# Altium PCB Buttonboard.PcbDoc
Units mil, origin at the board's own origin, x right, y up, seen from the top; angles counter-clockwise.
Board outline 4355 x 3340.61 mil, 2 copper layers (Top Layer, Bottom Layer); 50 components, 25 nets, 172 pads, 37 vias.
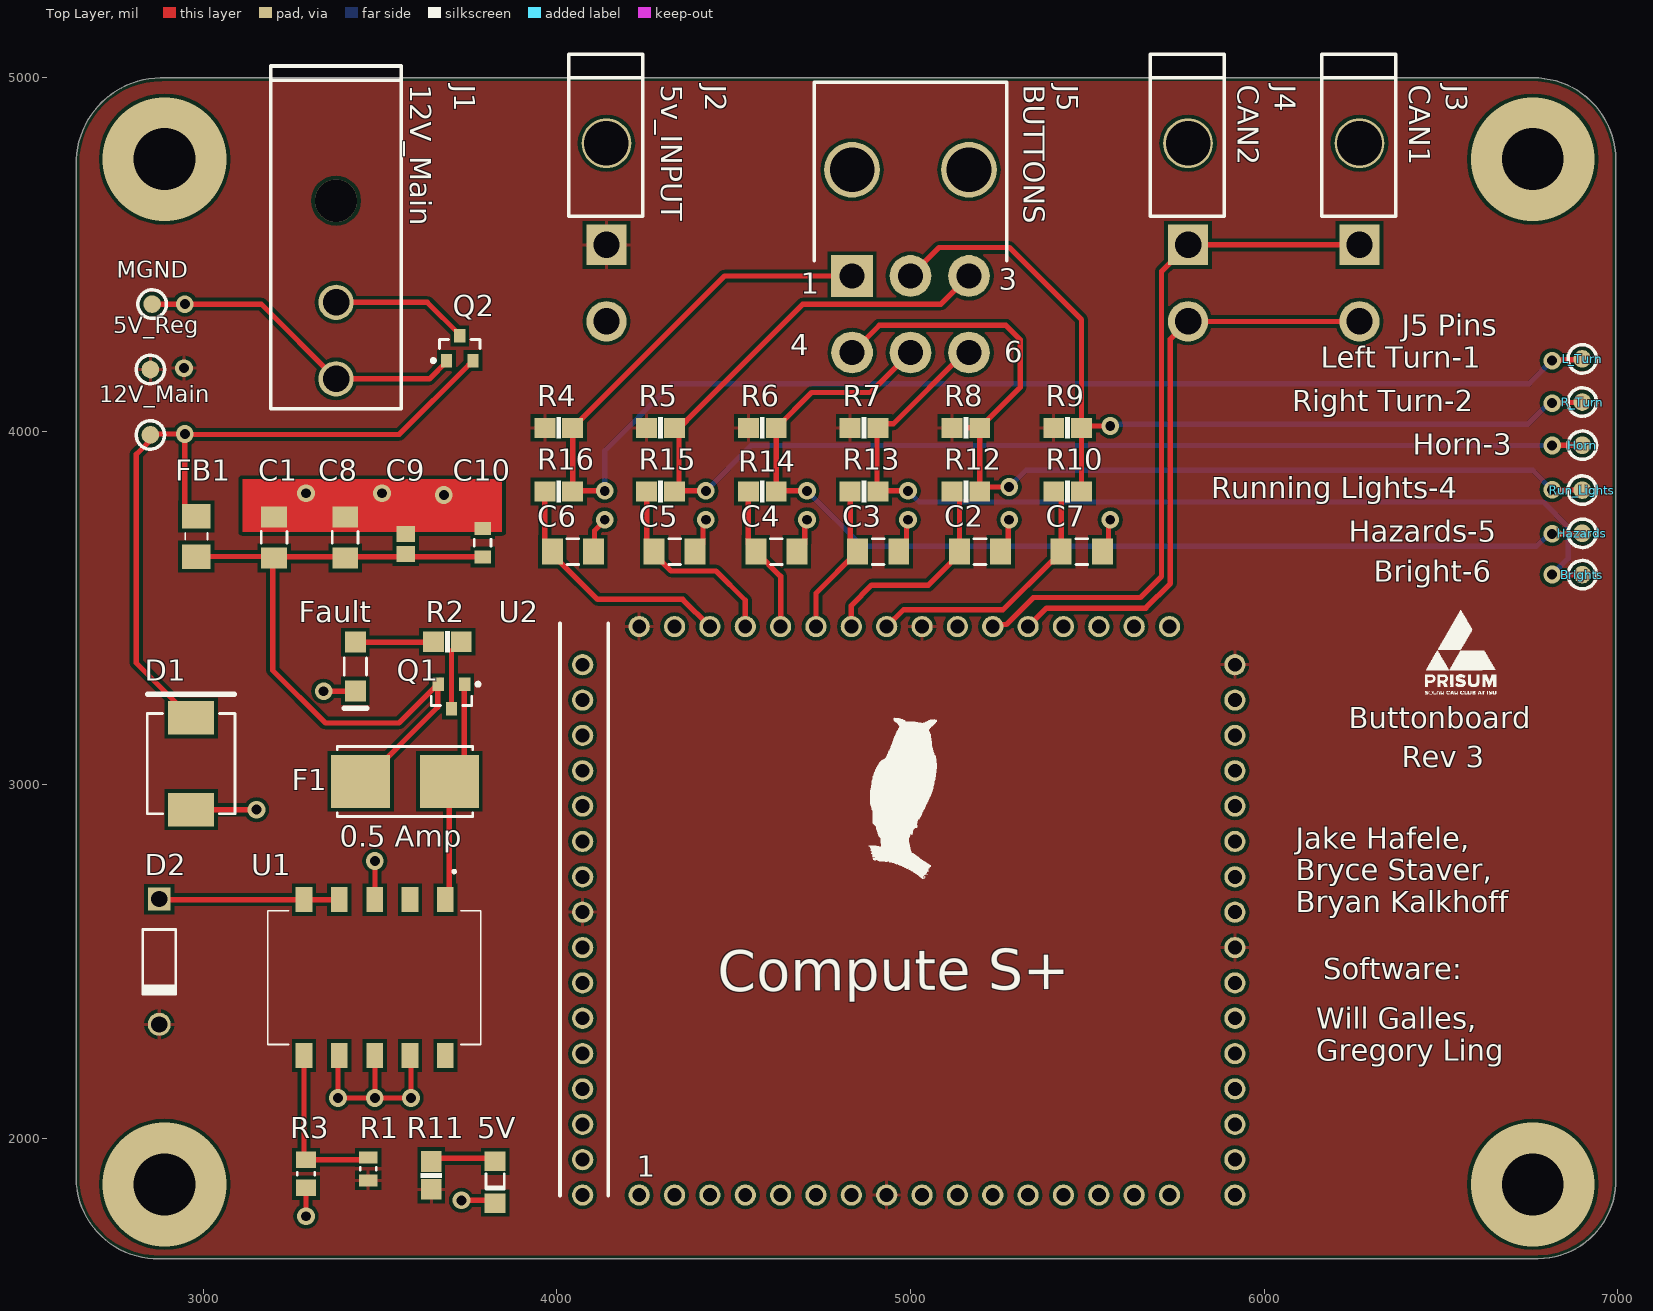
[diagram p0: Top Layer view]
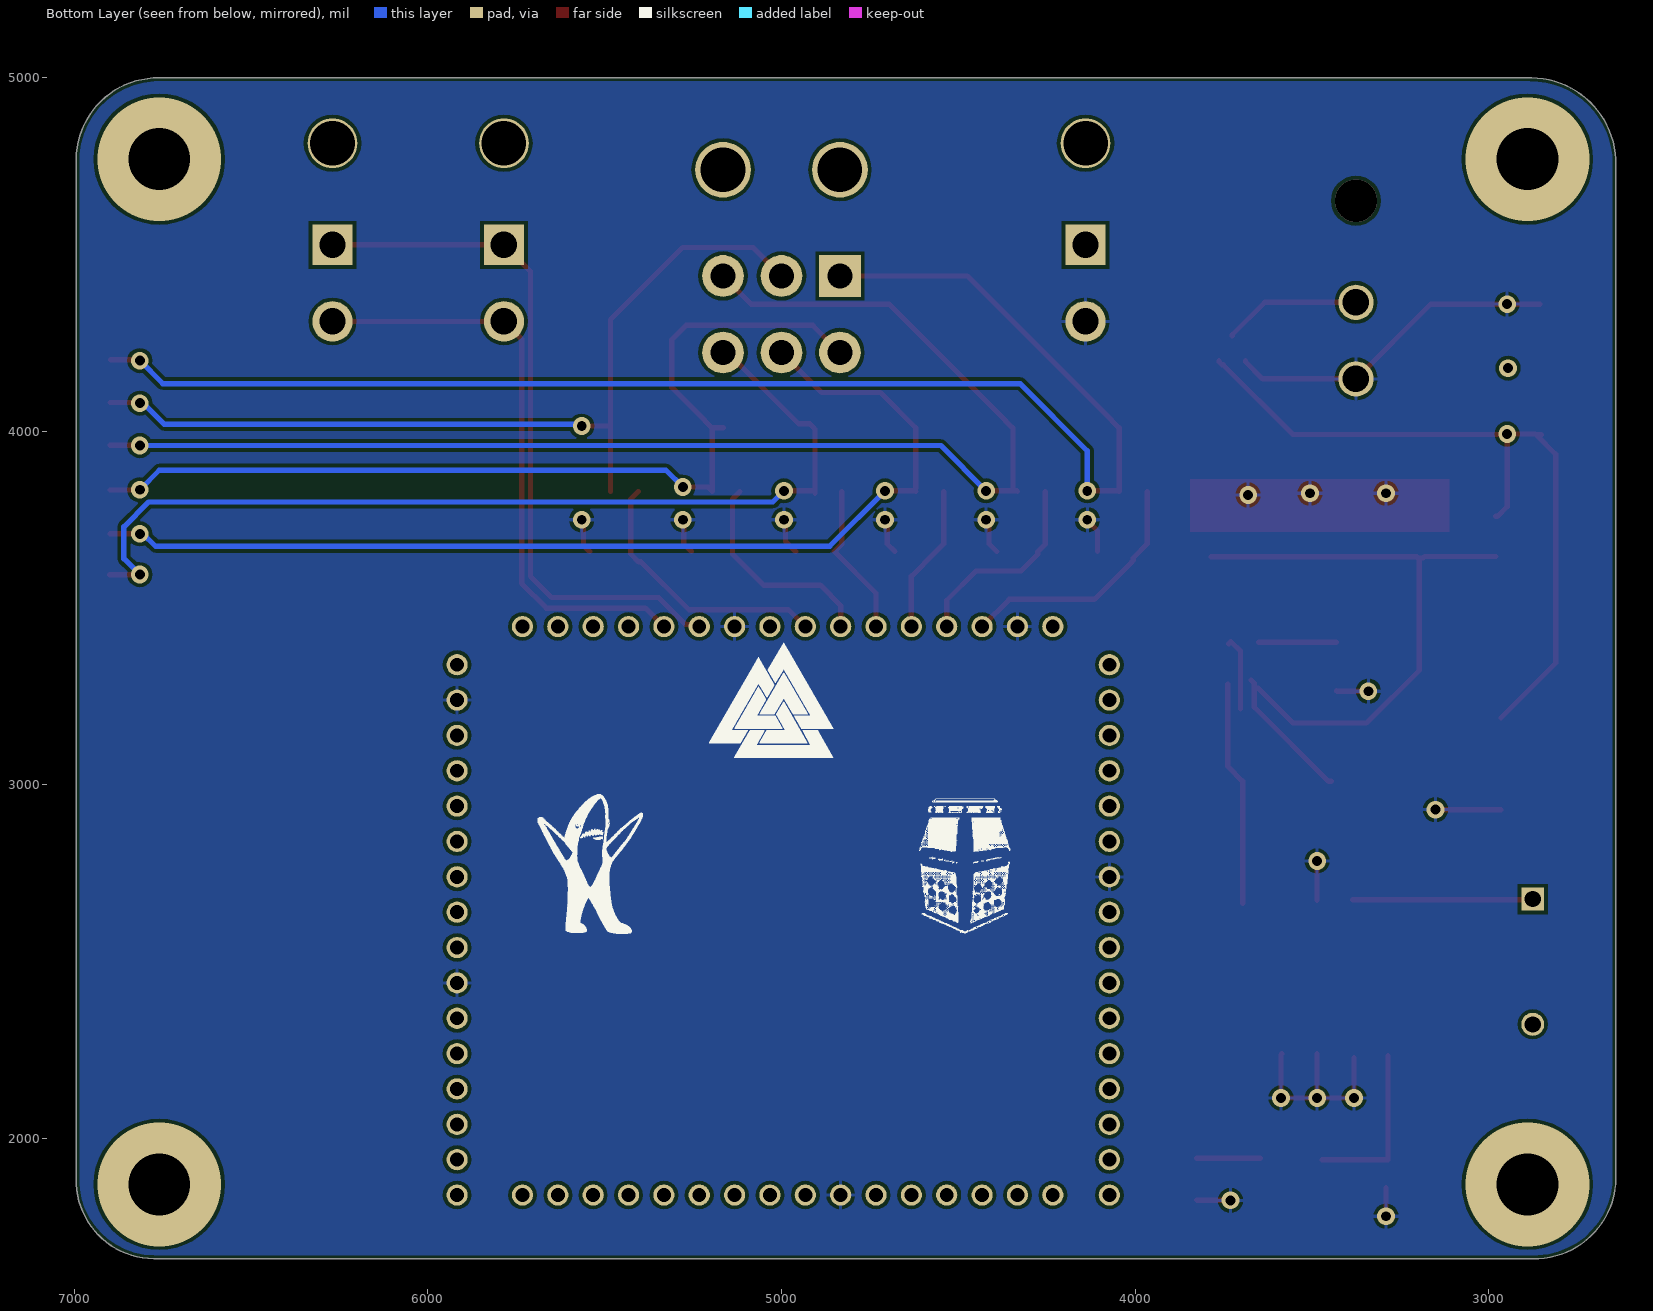
[diagram p1: Bottom Layer view, seen from below]
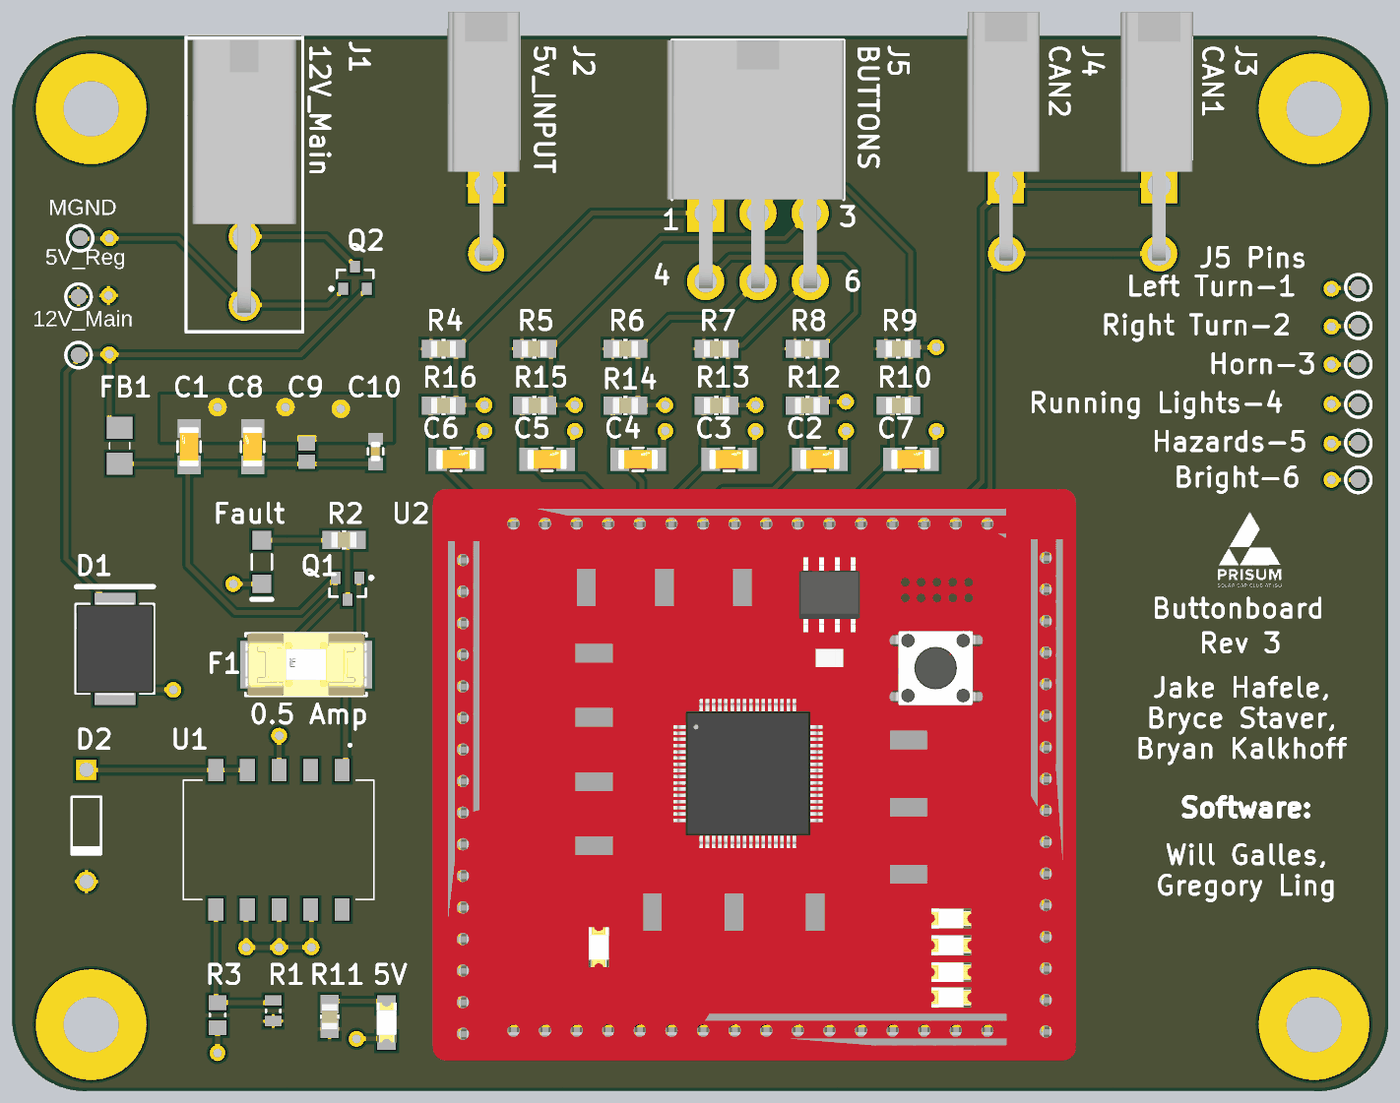
[diagram p2: 3D render of the assembled board from above, using the file's embedded part models]

## Layer stack, top to bottom
Top Solder: solder mask 0.4, Solder Resist, Dk 3.5
Top Layer: signal copper 1.4
Dielectric 1: dielectric 12.6, FR-4, Dk 4.8
Bottom Layer: signal copper 1.4
Bottom Solder: solder mask 0.4, Solder Resist, Dk 3.5

## Board outline
2640,1885 2640,2645 2640,4770 cw(c2882.5,4757.5) 2895,5000 6760,5000 cw(c6762.5,4767.5) 6995,4770 6995,1870 cw(c6772.5,1882.5) 6760,1660 2875,1660 cw(c2870,1890)

## Design rules (kind name [scope] priority, off if disabled: settings)
BoardOutlineClearance [All] p1: gap=10 ignorepadtopadclearanceinfootprint=FALSE except(0: Arc-SplitContinuation Track-SplitContinuation SMDPad-SplitContinuation THPad-SplitContinuation Via-SplitContinuation Fill-SplitContinuation Poly-SplitContinuation Region-SplitContinuation Text-SplitContinuation)
Clearance [All] p1: gap=10 ignorepadtopadclearanceinfootprint=FALSE except(0: Arc-Hole Track-Hole SMDPad-Hole THPad-Hole Via-Hole Fill-Hole Poly-Hole Region-Hole Text-Hole)
PolygonConnect [All] p1: connectstyle=Relief reliefconductorwidth=10 reliefentries=4 polygonreliefangle="90 Angle" airgapwidth=10
RoutingVias [All] p1: holewidth=28 width=50 viastyle="Through Hole" minholewidth=28 minwidth=50 maxholewidth=28 maxwidth=50
SolderMaskExpansion [All] p1: expansion=4 istentingtop=FALSE
Width [All] p1: maxlimit=15 minlimit=15 preferedwidth=15
30 further rules are at their usual default settings.

## Components (designator, comment, footprint, x,y, rotation, side; value= is the part's Value field where it differs from the comment)
5V "150120BS75000" 1206_A 3825,1876.38 r90 top
5V_Reg "EPAD" EPAD 2850,4175 r90 top
12V_Main "EPAD" EPAD 2850,3990 r90 top
Brights "EPAD" EPAD 6900,3594.68 r270 top
C1 "CL31A106MOHNNNE" FP-CL31-IPC_A 3200,3700 r90 top
C2 "CL31A106MOHNNNE" FP-CL31-IPC_A 5196.48,3660 r0 top
C3 "CL31A106MOHNNNE" FP-CL31-IPC_A 4908.61,3660 r0 top
C4 "CL31A106MOHNNNE" FP-CL31-IPC_A 4620.73,3660 r0 top
C5 "CL31A106MOHNNNE" FP-CL31-IPC_A 4332.86,3660 r0 top
C6 "CL31A106MOHNNNE" FP-CL31-IPC_A 4044.98,3660 r0 top
C7 "CL31A106MOHNNNE" FP-CL31-IPC_A 5484.35,3660 r0 top
C8 "CL31F105ZOCNNNC" FP-CL31-IPC_A 3400.95,3700 r90 top
C9 "08055C104JAT2A" CAPC2013X94X50LL20T25 3572.26,3681.46 r270 top
C10 "CGA3E2X8R2A103K080AD" FP-CGA3E-0_3-0_1-IPC_A 3790,3685 r90 top
D1 "SMCJ12A" LFUS-DO-214AB-2_V 2965,3060 r90 top
D2 "1N4001-T" DIOD-DO-41-P-2_V 2875,2500 r270 top
F1 "0.5 A" FP-0155-MFG 3570,3010 r0 top
Fault "HSMH-C150" AVAG-HSMX-C150_V 3430,3335 r270 top
FB1 "HI1206N800R-10" FB_HI1206N800R-10 2980,3702.86 r270 top
Hazards "EPAD" EPAD 6900,3711.75 r270 top
Horn "EPAD" EPAD 6900,3960.87 r270 top
J1 "12V_Main" CONN_2P_MEGAFIT_HORIZONTAL 3375,4148.46 r90 top
J2 "5V_Input" "Mini-Fit Jr. 2" 4140,4645.71 r180 top
J3 "CAN1" "Mini-Fit Jr. 2" 6270,4645.71 r180 top
J4 "CAN2" "Mini-Fit Jr. 2" 5785,4645.71 r180 top
J5 "Molex Mini-Fit Jr. 6-Pin" "Molex Mini-Fit Jr. 6-Pin" 5000,4605 r180 top
L_Turn "EPAD" EPAD 6900,4205 r270 top
MGND "EPAD" EPAD 2855,4360 r90 top
Q1 "Fuse Blown Fault" INTR-SOT-23-3_V 3701.73,3250 r180 top
Q2 "Reverse Polarity Protection" INTR-SOT-23-3_V 3725,4235 r0 top
R1 "0 Ohm" RESC2013X50X30LL20T20 3466.04,1913.78 r270 top
R2 "Resistor" 0805_B 3690,3405 r180 top value=1k
R3 "47k" RESC2013X60X35ML10T20 3290,1900 r90 top
R4 "1% 1/8W" 0805_B 4005,4010 r180 top value=10k
R5 "1% 1/8W" 0805_B 4292.87,4010 r180 top value=10k
R6 "1% 1/8W" 0805_B 4580.75,4010 r180 top value=10k
R7 "1% 1/8W" 0805_B 4868.62,4010 r180 top value=10k
R8 "1% 1/8W" 0805_B 5156.5,4010 r180 top value=10k
R9 "1% 1/8W" 0805_B 5444.37,4010 r180 top value=10k
R10 "1% 1/8W" 0805_B 5444.37,3830 r0 top value=10k
R11 "Resistor" 0805_B 3644.51,1895.59 r270 top value=1k
R12 "1% 1/8W" 0805_B 5156.5,3830 r0 top value=10k
R13 "1% 1/8W" 0805_B 4868.62,3830 r0 top value=10k
R14 "1% 1/8W" 0805_B 4580.75,3830 r0 top value=10k
R15 "1% 1/8W" 0805_B 4292.87,3830 r0 top value=10k
R16 "1% 1/8W" 0805_B 4005,3830 r0 top value=10k
R_Turn "EPAD" EPAD 6900,4082.94 r270 top
Run_Lights "EPAD" EPAD 6900,3833.81 r270 top
U1 "5v Switching Reg" "5v Reg" 3484.37,2455 r270 top
U2 "S+" "Compute S+" 4232.6,1840 r0 top

## Footprints (in the part's own frame and the unit in brackets; to place one, negate y for a bottom-side part, rotate by r counter-clockwise, add the part's x,y. Pads: shape width x height; smd on the part's side, far side on the other; paste and mask are expansions set on the pad)
"5v Reg" [mm]
  rect 1.8x1.2 smd: 1(-5.6,5.08) 2(-5.6,2.54) 3(-5.6,0) 4(-5.6,-2.54) 5(-5.6,-5.08) 6(5.6,-5.08) 7(5.6,-2.54) 8(5.6,0) 9(5.6,2.54) 10(5.6,5.08)
  silkscreen extent -7.72,-7.68 4.8,7.62
0805_B [mm] "0805 Style B SMT capacitor"
  rect 1.5x1.45 smd mask+0.064: 1(-1,0) 2(1,0)
  silkscreen extent -0.17,-0.78 0.18,0.77, body extent -1,-0.63 1.01,0.63, height 1.25
1206_A [mm] "Chip LED, 2-Leads, Body 3.2x1.6mm, IPC Medium Density"
  rect 1.4x1.5 smd: 1(-1.5,0) 2(1.5,0)
  silkscreen extent -0.5,-0.67 0.6,0.65, body extent -1.6,-0.8 1.6,0.8, height 0.68
AVAG-HSMX-C150_V [mm] "SMD, 2-Leads, Body 3.2x1.6mm"
  rect 1.5x1.5 smd: 1(-1.75,0) 2(1.75,0)
  silkscreen extent -0.6,-0.8 3,0.8, body extent -1.6,-0.8 1.6,0.8, height 1.1
CAPC2013X94X50LL20T25 [mm] "Chip Capacitor, 2-Leads, Body 2.21x1.45mm, IPC High Density"
  rect 1.15x1.35 smd: 1(-0.725,0) 2(0.725,0)
  body extent -1.1,-0.72 1.1,0.72, height 0.94
"Compute S+" [mil]
  round 60 hole 39.37: CANH(1000,1607.95) CANL(1100,1607.95) GND(-160,900) GND(100,1607.95) GND(600,0) GND(900,1607.95) GND(1685,600) GND(1685,1400) PA00(-160,1500) PA01(-160,1400) PA02(-160,1300) PA03(-160,1200) PA04(-160,300) PA05(-160,200) PA06(-160,100) PA07(-160,0) PA08(0,0) PA09(100,0) PA10(200,0) PA11(300,0) PA12(1200,0) PA13(1300,0) PA14(1400,0) PA15(1500,0) PA16(1685,0) PA17(1685,100) PA18(1685,200) PA19(1685,300) PA20(1685,800) PA21(1685,900) PA22(1685,1000) PA23(1685,1100) PA24(1685,1200) PA25(1685,1300) PA27(1500,1607.95) PA28(1400,1607.95) PA30(1300,1607.95) PA31(1200,1607.95) PB00(500,1607.95) PB01(400,1607.95) PB02(300,1607.95) PB03(200,1607.95) PB04(-160,1100) PB05(-160,1000) PB06(-160,700) PB07(-160,600) PB08(-160,500) PB09(-160,400) PB10(400,0) PB11(500,0) PB12(800,0) PB13(900,0) PB14(1000,0) PB15(1100,0) PB16(1685,400) PB17(1685,500) PB30(700,1607.95) PB31(600,1607.95) VDD(-160,800) VDD(0,1607.95) VDD(700,0) VDD(800,1607.95) VDD(1685,700) VDD(1685,1500)
  silkscreen extent -224,-2 842,1617, body extent -261,-84 1774,1726, height 549
CONN_2P_MEGAFIT_HORIZONTAL [mm]
  round 2.54 hole 1.905: 1(0,0) 2(5.5,0)
  silkscreen extent -2.16,-4.7 22.48,4.7, body extent -0.64,-4.16 21.33,4.19, height 14.06
DIOD-DO-41-P-2_V [mm] "2-Leads, Axial Lead, Body 4.635x2.36mm, Pin Spacing 9mm"
  rect 1.65x1.65 hole 1.15: 1(-4.5,0)
  round 1.65 hole 1.15: 2(4.5,0)
  silkscreen extent -2.32,-1.18 2.32,1.18, body extent -4.93,-1.18 4.93,1.18, height 2.35
EPAD [mil]
  round 50 smd: 1(0,0)
  silkscreen extent -40,-40 40,40
FB_HI1206N800R-10 [mm]
  rect 1.76x2.06 smd: 1(-1.445,0) 2(1.445,0)
  silkscreen extent -0.25,-0.8 0.25,0.8
FP-0155-MFG [mil]
  rect 167x150 smd paste+0 mask+0: 1(-125.5,0) 2(125.5,0)
  silkscreen extent -192,-99 192,99, body extent -213,-103 213,103, height 10
FP-CGA3E-0_3-0_1-IPC_A [mm]
  rect 0.956x1.206 smd paste+0 mask+0: 1(-1.025,0) 2(1.025,0)
  silkscreen extent -0.25,-0.6 0.25,0.6, body extent -2,-1.1 2,1.1, height 0.25
FP-CL31-IPC_A [mil]
  rect 59.27x73.16 smd paste+0 mask+0: 1(-58.12,0) 2(58.12,0)
  silkscreen extent -17,-37 17,37, body extent -107,-56 107,56, height 10
INTR-SOT-23-3_V [mm] "SOT23, 3-Leads, Body 2.92x1.3mm, Pitch 1.9mm"
  rect 0.802x0.972 smd: 1(-0.95,-0.885) 2(0.95,-0.885) 3(0,0.885)
  silkscreen extent -2.03,-1.01 1.46,0.64, body extent -1.46,-0.65 1.46,0.65, height 1.12
LFUS-DO-214AB-2_V [mm] "Molded Diode, 2-Leads, Body 7.11x6.22mm"
  rect 2.4x3.3 smd: 1(-3.3,0) 2(3.3,0)
  silkscreen extent -3.6,-3.15 5,3.15, body extent -3.77,-3.11 3.77,3.11, height 2.62
"Mini-Fit Jr. 2" [mm]
  rect 2.9x2.9 hole 1.9: 1(0,3)
  round 2.9 hole 1.9: 2(0,8.5)
  round 3.578 hole 3.2: 3(0,-4.3)
  silkscreen extent -2.6,-10.7 2.73,0.95, body extent -2.7,-10.9 3.1,9.03, height 11.4
"Molex Mini-Fit Jr. 6-Pin" [mm] "6-Pin Moles Mini-Fit Jr. Right Angle Header with PCB Flange"
  round 4 hole 3.2: 0(-4.2,-3.429) 0(4.2,-3.429)
  rect 3x3 hole 1.8: 1(4.2,4.2)
  round 3 hole 1.8: 2(0,4.2) 3(-4.2,4.2) 4(4.2,9.7) 5(0,9.7) 6(-4.2,9.7)
  silkscreen extent -6.9,-9.7 6.9,3.1, body extent -6.9,-9.7 7.3,10.23, height 11.4
RESC2013X50X30LL20T20 [mm] "Chip Resistor, 2-Leads, Body 2.00x1.25mm, IPC High Density"
  rect 0.85x1.35 smd: 1(-0.825,0) 2(0.825,0)
  silkscreen extent -0.1,-0.58 0.1,0.58, body extent -1.1,-0.72 1.1,0.72, height 0.5
RESC2013X60X35ML10T20 [mm] "Chip Resistor, 2-Leads, Body 2.00x1.25mm, IPC Low Density"
  rect 1.2x1.45 smd: 1(-1,0) 2(1,0)
  silkscreen extent -0.1,-0.63 0.1,0.63, body extent -1.05,-0.67 1.05,0.67, height 0.6

## Part data
5V: library part CMP-1426-00015-1, "SMD mono-color Chip LED, WL-SMCW, Blue", Color=Blue, Manufacturer="Wuerth Elektronik", ComponentLink1Description="Manufacturer URL", ComponentLink1URL=http://www.we-online.com, ComponentLink2Description=Datasheet, ComponentLink2URL=http://katalog.we-online.com/led/datasheet/150120BS75000.pdf, PackageReference=1206_A, PartNumber=150120BS75000
5V_Reg 12V_Main Brights Hazards Horn L_Turn MGND R_Turn Run_Lights: "Pad for probing signals"
C1 C2 C3 C4 C5 C6 C7: library part CMP-13271-002453-1, "Cap Ceramic 10uF 16V X5R ±20% SMD 1206 +85°C Embossed T/R", Capacitance=10uF, Case Code (Imperial)=1206, Case Code (Metric)=3216, Dielectric=X5R, Max Operating Temperature=85°C, Min Operating Temperature=-55°C, Package Quantity=1, Tolerance=20%, Voltage Rating=16V, Case/Package=1206, Depth=1.6mm, Height=1.6mm, Lead Free="Lead Free", Length=3.2mm, Mount="Surface Mount", Packaging="Tape and Reel", Radiation Hardening=No, Thickness=0.071inch, Voltage Rating (DC)=16V, Width=0.063inch
C8: library part CMP-13271-003959-1, "Cap Ceramic 1uF 16V Y5V -20/+80% SMD 1206 +85°C Embossed T/R", Capacitance=1uF, Case Code (Imperial)=1206, Case Code (Metric)=3216, Dielectric=Y5V, Max Operating Temperature=85°C, Min Operating Temperature=-30°C, Package Quantity=4000, Tolerance=80%, Voltage Rating=16V, Case/Package=1206, Depth=1.6mm, Height=0.85mm, Lead Free="Lead Free", Length=3.2mm, Mount="Surface Mount", Packaging="Tape and Reel", Radiation Hardening=No, Thickness=0.039inch, Voltage Rating (DC)=16V, Width=0.063inch
C9: library part CMP-2000-05808-1, "Chip Capacitor, 0.1 uF, +/- 5%, 50 V, -55 to 125 degC, 0805 (2012 Metric), RoHS, Tape and Reel", Capacitance=0.1uF, Capacitance - nF=100nF, Capacitance - pF=100000pF, Case Code - in=0805, Case Code - mm=2012, Case Height=0.94mm, Case Length=2.01mm, Case Width=1.25mm, Dielectric=X7R, Manufacturer=AVX, Maximum Operating Temperature=+125C, Minimum Operating Temperature=-55C, Operating Temperature Range=-55Cto+125C, Package / Case=0805(2012metric), Package Description="2-Pin Surface Mount Device, Body 2.01 x 1.25 mm", Temperature Coefficient / Code=+/-15%, Tolerance=5%, Voltage Rating=50V, Brand=AVX, Datasheet URL=http://www.farnell.com/datasheets/1679506.pdf, Datasheet Version=11/2012, Dimensions=1.25mmWx2.01mmLx0.94mmH, Dissipation Factor DF=2.5, Factory Pack Quantity=4000, Manufacturer URL=http://www.avx.com/, Mounting Technology=SurfaceMount, Package Reference=0805, Packaging=Reel, Product=GeneralTypeMLCCs, Product Category=MultilayerCeramicCapacitorsMLCC-SMD/SMT, RoHS=Details, Termination Style=SMD/SMT, Type=StandardX7RMLCCs, Voltage Rating Dc=50V
C10: library part CMP-08246-000769-1, "Cap Ceramic 10nF 100V X8R 10% Pad SMD 0603 +150°C Automotive T/R", Capacitance=10nF, Case Code (Imperial)=0603, Case Code (Metric)=1608, Dielectric=X8R, Max Operating Temperature=150°C, Min Operating Temperature=-55°C, Package Quantity=4000, Ratings=AEC-Q200, Tolerance=10%, Voltage Rating=100V, Case/Package=0603, Composition=Ceramic, Depth=0.8mm, Height=0.8mm, Length=1.6mm, Mount="Surface Mount", Packaging="Tape and Reel", Termination=SMD/SMT, Thickness=0.035inch, Voltage Rating (DC)=100V, Weight=7.1E-05oz, Width=0.031inch
D1: library part CMP-2000-07101-1, "Transient Voltage Suppression Diode, 12 V, -65 to 150 degC, 2-Pin DO-214AB (SMCJ), RoHS, Tape and Reel", Breakdown Voltage-Max=14.7V, Breakdown Voltage-Min=13.3V, Clamping Voltage-Max=19.9V, Manufacturer=Littelfuse, Package Description="2-Pin Surface Mount Device, Body 6.855 x 5.905 mm", Package Reference=DO-214AB, Power Dissipation=1500W, Datasheet URL=http://www.littelfuse.com/products/tvs-diodes/surface-mount/~/media/electronics/datasheets/tvs_diodes/littelfuse_tvs_diode_smcj_datasheet.pdf.pdf, Datasheet Version=11/2015, Directional=Uni-Directional, Manufacturer URL=http://www.littelfuse.com/, Mounting Technology=SurfaceMount
D2: library part CMP-0639-00006-2, "1.0 A Rectifier, 15 pF, 50 V, -65 to 150 degC, 2-Pin DO-41 Plastic, RoHS, Tape and Reel", Manufacturer="Diodes Inc", Max. Average Rectified Current IO (A)=1, Operating Temperature Range (degC)="-65 to 150", ComponentLink1Description="Manufacturer URL", ComponentLink1URL=http://diodes.com/, ComponentLink2Description=Datasheet, ComponentLink2URL=http://diodes.com/datasheets/ds28002.pdf, CT (pF)=15, DatasheetVersion="Rev. 8-2", Max. IFSM (A)=30, Max. IR (uA)=5, Mounting Technology="Through Hole", PackageDescription="2-Pin Axial Lead, Body 4.635 x 2.36 mm, Lead Spread 25.4 mm", PackageReference=DO-41-P-2, Packing="Tape and Reel", PartNumber=1N4001-T, RoHS=TRUE, VF (V)=1, VRRM (V)=50
F1: library part CMP-08604-000021-1, "FUSE BLOK CARTRIDGE 125V 10A SMD", Fuse Current=8A, Manufacturer="Littelfuse Inc", Manufacturer Part Number=01550900M, Package=0155, Voltage Rating Ac=125V, Automotive=No, Category=Fuse, ComponentLink2Description=Datasheet, ComponentLink2URL=https://www.littelfuse.com/~/media/electronics/datasheets/fuses/littelfuse_fuse_154_154t_154l_154tl_datasheet.pdf.pdf, Conn Orientation=Horizontal, Device Class L1="Circuit Protection", Device Class L2="Fuse Holders", Device Class L3=unset, Digikey Description="FUSE BLOK CARTRIDGE 125V 10A SMD", Height=3.81mm, Lead Free=Yes, Mouser Description="Fuse Holder ACS NANO HLDR", Number Of Fuses=1, Octopart=https://octopart.com/01550900m-littelfuse-9291575, RoHS=TRUE
Fault: library part CMP-2000-06426-1, "LED Uni-Color Red, 65 mW, 25 mA, -40 to 85 degC, 2-Pin SMD, RoHS, Tape and Reel", Emitting Color=Red, Forward Current=25mA, Forward Voltage=2.6V, Manufacturer=Avago, Operating Temp Range=-40Cto85C, Operating Temperature Classification=Industrial, Package Description="2-Pin Surface Mount Device, Body 3.2 x 1.6 mm", Package Reference=HSMX-C150, Package Type=ChipLed, Power Dissipation=78W, Reverse Voltage=5V, Test Current (It)=20mA, Chip Material=GaAlAs, Datasheet URL=http://media.digikey.com/pdf/Data%20Sheets/Avago%20PDFs/HSMz-Czzz.pdf, Datasheet Version=03/2012, DELETED=Compliant, Dominant Wave Length=639nm, High Brightness=No, Lens Dimensions=2x1.6x0.6mm, Lens Type=ColorlessDiffused, Lum Intensity=17mcd, Luminous Intensity=17mcd, Main Category=ChipLED, Manufacturer URL=http://www.avagotech.com/, Mounting=SurfaceMount, Mounting Technology=SurfaceMount, Number of  Elements=1, Packaging=TapeandReel, Peak Wavelength=660nm, Pin Count=2, Product Depth (mm)=1.6mm, Product Height (mm)=1.1mm, Product Length (mm)=3.2mm, Rad Hardened=No, Shape Type=Rectangular, Type=Uni-Color, Viewing Angle=170deg
FB1: "80 Ohms @ 100MHz 1 Power, Signal Line Ferrite Bead 1206 (3216 Metric) 3A 35mOhm", Package="1206 Laird-Signal Integrity", Check_prices=https://www.snapeda.com/parts/HI1206N800R-10/Laird-Signal%20Integrity%20Products/view-part/296889/?ref=eda, Digi-Key_Part_Number=240-2409-1-ND, MF="Laird-Signal Integrity", MP=HI1206N800R-10, Purchase-URL=https://pricing.snapeda.com/search/part/HI1206N800R-10/?ref=eda, SnapEDA_Link=https://www.snapeda.com/parts/HI1206N800R-10/Laird-Signal%20Integrity%20Products/view-part/296889/?ref=snap
J1: library part CONN_2P_MEGAFIT_HORIZONTAL, "*", DigiKey Part Number=WM11969-ND, Manufacturer=Molex, Manufacturer Part Number=0768250002, SchematicInformation=MegaFit_2P
J2 J3 J4: library part "Mini-Fit Jr. 2-pin", "Mini-Fit Jr. 2-pin Right Angle", Color=Natural, Manufacturer="Molex Inc", Manufacturer Part Number=0039300020, Supplier Part Number 1=WM21351-ND, Category="Connectors, Interconnects", ComponentLink1Description=http://www.molex.com/pdm_docs/sd/039300020_sd.pdf, ComponentLink1URL=http://www.molex.com/pdm_docs/sd/039300020_sd.pdf, Connector Type="Header, Shrouded", Contact Finish=Tin, Contact Finish Thickness="200µin (5.08µm)", Contact Mating Length=-, Contact Type="Male Pin", Datasheet=http://www.molex.com/pdm_docs/sd/039301020_sd.pdf, Fastening Type="Locking Ramp", Features="Board Lock", Mounting Type="Through Hole, Right Angle", Number of Positions=2, Number of Positions Loaded=All, Number of Rows=2, Ordering=http://search.digikey.com/scripts/DkSearch/dksus.dll?Detail&name=WM1351-ND, Packaging=Tray, Pitch=-, Pricing 1="1=0.77, 10=0.674, 50=0.6078, 100=0.5815, 250=0.5286, 500=0.47574, 1000=0.42288, 2500=0.38324, 5000=0.37002 (USD)", RoHS="RoHS Compliant", Row Spacing="0.165\" (4.20mm)", Stock 1=371, Supplier 1=Digi-Key, Termination=Solder
J5: "6-Pin Molex Mini-Fit Jr. Header  through hole", Manufacturer=Molex, ComponentLink1Description=Datasheet, ComponentLink1URL=http://www.molex.com/pdm_docs/sd/039295063_sd.pdf, ComponentLink2Description="Mechanical Drawing", Drawing Date="Jan. 2, 2011", Drawn By="Aaron Mills", Supplier 1=http://search.digikey.com/scripts/DkSearch/dksus.dll?Detail&name=WM3922-ND
Q1 Q2: library part CMP-2000-04987-1, "HEXFET(R) Power P-Channel MOSFET, -20 V, -3.7 A, -55 to 150 degC, 3-Pin SOT-23, RoHS, Tape and Reel", Drain-Source On Resistance-Max=0.065O, Drain-to-Source Voltage [Vdss]=20V, Manufacturer="International Rectifier", Package Description="3-Pin Small Outline Transistor, Body 2.92 x 1.3 mm, Pitch 0.95 mm", Package Reference=SOT-23-3, Rated Power Dissipation=1.3W, Channel Type=P-Channel, Datasheet URL=http://datasheet.octopart.com/IRLML6402TRPBF-International-Rectifier-datasheet-93882.pdf, Datasheet Version=Feb-05, Manufacturer URL=http://internationalrectifier.com/, Qg Gate Charge=8nC
R1: library part CMP-2001-03828-1, Manufacturer="Vishay Dale", Part Number=CRCW080533K0JNEA
R3: library part CMP-2001-01296-1, Manufacturer=Yageo, Part Number=RC0805FR-078K66L
R4 R5 R6 R7 R8 R9 R10 R12 R13 R14 R15 R16: library part MCR10EZHF1002, "0805 10kOhm resistor 1% 1/8W", ComponentLink1Description=Datasheet, ComponentLink1URL=http://media.digikey.com/pdf/Data%20Sheets/Rohm%20PDFs/MCR10%20(new)%20series.pdf
U1: "1A DC/DC-Converter 'INNOLINE' SMD reg", Package="SMD-10 Recom Power", BuyPart=https://www.snapeda.com/parts/R-78AA5.0-1.0SMD-R/Recom%20Power/view-part/480105/?ref=eda, Digi-Key_Part_Number=945-1044-1-ND, Digikey=945-1044-2-ND, DigiKey-Purchase-URL=https://snapeda.com/shop?store=DigiKey&id=480105, MF="Recom Power", Mouser-Purchase-URL=https://snapeda.com/shop?store=Mouser&id=480105, MP=R-78AA5.0-1.0SMD-R, SnapEDA_Link=https://www.snapeda.com/parts/R-78AA5.0-1.0SMD-R/Recom%20Power/view-part/480105/?ref=snap
U2: "Need to get 4 of PPPC161LFBN-RC", Datasheet=https://media.digikey.com/pdf/Data%20Sheets/Sullins%20PDFs/Female_Headers.100_DS.pdf, Digi-Key=https://www.digikey.com/product-detail/en/sullins-connector-solutions/PPPC161LFBN-RC/S7049-ND/810188

## Via types
v1: diameter 50, hole 28, Top Layer to Bottom Layer, 32 vias
v2: diameter 350, hole 175, Top Layer to Bottom Layer, 4 vias
v3: diameter 120.08, hole 120.08, Top Layer to Bottom Layer, 1 vias

## Nets (pads, with @x,y where several pads share a name; then routed paths per layer and width w, separated by ;. In a path a pad name is that pad's centre, name@x,y a point inside that pad or via, vN(x,y) a via of type N, cw(c..) or ccw(c..) an arc to the next point about the centre after c; other vN are vias at no path point)
+5: 5V_Reg.1 D2.2 J2.1 R1.2 R4.2 R5.2 R6.2 R7.2 R8.2 R9.2 R11.2 U2.VDD
  other v1: 2945,4178.75
Brights: Brights.1 J5.6 R7.1 R13.2 | length 2762
  Top Layer w15: R13.2@4905,3825 4905,3831.66 R7.1@4905,4007.01 ; R13.2 4909.65,3831.66 v1(4993,3831.66) ; R7.1@4908.98,4010 R7.1 4919.23,4021.23 4951.23,4021.23 5153.11,4223.11 J5.6 ; v1@6815.16,3594.84 6845.16,3594.84 ; 6845,3595 6845.16,3594.84 ; Brights.1@6899.84,3594.84 6845.16,3594.84
  Bottom Layer w15: v1(4993,3831.66) 5024.66,3800 6790,3800 6860,3730 6860,3640 v1(6815,3595)
CAN_H: J3.1 J4.1 U2.CANH | length 1989.9
  Top Layer w15: U2.CANH 5238.31,3453.66 5271.13,3453.66 5347.47,3530 5650,3530 5710,3590 5710,4452.6 J4.1 J3.1
CAN_L: J3.2 J4.2 U2.CANL | length 1699.7
  Top Layer w15: U2.CANL 5384.65,3500 5665,3500 5735,3570 5735,4260.94 5785,4310.94 J4.2 J3.2
Hazards: Hazards.1 J5.5 R6.1 R14.2 | length 2997.4
  Top Layer w15: R14.2@4620,3838.99 R6.1@4620,4010 ; R14.2 4621.78,3831.66 v1(4707,3831.66) ; R6.1 4720.12,4110 4886.89,4110 J5.5 ; v1@6815.87,3710.87 Hazards.1@6899.13,3710.87
  Bottom Layer w15: v1(4707,3831.66) 4863.66,3675 6770.53,3675 6805.53,3710 v1(6815,3710)
Horn: Horn.1 J5.3 R5.1 R15.2 | length 3789.3
  Top Layer w15: R15.2 4333.9,3831.66 v1(4421,3831.66) ; R15.2@4345.37,3840 4345.37,4010 4346.35,4010 4367.4,4031.04 4367.4,4032.03 4695.37,4360 5085.71,4360 J5.3 ; v1@6815.44,3960.44 Horn.1@6899.56,3960.44
  Bottom Layer w15: v1(4421,3831.66) 4549.34,3960 v1(6815,3960)
"Left Turn": J5.1 L_Turn.1 R4.1 R16.2 | length 4214.1
  Top Layer w15: R16.2 4046.03,3831.66 v1(4135,3831.66) ; R16.2@4044.37,3835 R4.1 4045.35,4010 4066.4,4031.04 4066.4,4032.03 4474.02,4439.65 J5.1 ; v1@6817.5,4202.5 L_Turn.1@6897.5,4202.5
  Bottom Layer w15: v1(4135,3831.66) 4135,3945 4325,4135 6750,4135 v1(6815,4200)
MGND: 5V.1 C1.2 C2.2 C3.2 C4.2 C5.2 C6.2 C7.2 C8.2 C9.1 C10.2 D1.1 Fault.2 J1.1 J2.2 MGND.1 Q2.1 R3.1 U1.3 U1.7 U1.8 U1.9 U2.GND | length 2765.5
  Top Layer w15: MGND.1 v1(2947.5,4360) 3163.46,4360 J1.1 3639.25,4148.46 3687.6,4196.81 Q2.1 ; D1.1 2965.16,2929.92 v1(3150,2929.92) ; v1(3290,1780) R3.1 ; v1(3340,3265) 3428.9,3265 Fault.2 ; C8.2@3364.59,3755.12 C8.2@3379.36,3755.12 ; U1.7@3380.59,2229.19 v1(3380.59,2114.38) v1(3485,2114.38) ; 3477.5,3785 3477.5,3797.5 v1(3505,3825) ; U1.8@3485,2240.22 v1(3485,2114.38) ; U1.3@3485,2673.12 v1(3485,2785) ; 3558.99,3755.12 3577.75,3773.88 ; U1.9@3585,2239.82 3587.07,2237.75 3587.07,2114.69 3485.31,2114.69 v1(3485,2114.38) ; v1(3730,1825) 3824.06,1825 5V.1@3825,1825.94 ; C6.2@4106.25,3660 4106.25,3719.08 v1@4135,3747.83 ; J2.2@4135.53,4315.53 J2.2 ; C5.2 4413.12,3682.14 4413.12,3728.91 4420,3735.79 v1@4420,3745.26 ; C4.2 4700.99,3682.14 4700.99,3740.99 v1@4705,3745 ; C3.2@4959.19,3660 4959.79,3660 4988.87,3689.08 4988.87,3748.87 v1@4990,3750 ; C2.2 5276.74,3682.14 v1@5276.74,3741.74 ; C7.2 5560,3677.52 5560,3745 v1(5565,3750)
  other v1: 3587.07,2114.38 4135,3750 4421,3750 4707,3750 4993,3750 5279,3750 3680,3820 3290,3825
Net5V_2: 5V.2 R11.1 | length 180.2
  Top Layer w15: R11.1@3645,1943.59 3645.47,1944.06 5V.2@3825,1944.06
Net12V_Main_1: 12V_Main.1 D1.2 FB1.1 Q2.2 | length 2141.4
  Top Layer w15: 12V_Main.1 2851.25,3991.25 12V_Main.1@2867.5,3991.25 ; D1.2 2810,3344.92 2810,3935 2867.5,3992.5 v1(2947.5,3992.5) v1@2947.5,3991.25 ; FB1.1 2974.65,3759.75 2947.5,3786.89 v1@2947.5,3991.25 ; Q2.2 3762.4,4196.81 3754.11,4188.52 3750.77,4188.52 3553.49,3991.25 v1@2947.5,3991.25
NetC1_1: C1.1 C8.1 C9.2 C10.1 F1.1 FB1.2 Q1.2 | length 2073
  Top Layer w15: FB1.2 3181.34,3645.97 3185.43,3641.88 C1.1 3203.12,3645 3390,3645 3590,3645 3784.2,3645 C10.1@3785,3645.8 ; C1.1@3195.95,3631.88 3195.95,3324.05 3345,3175 3552.76,3175 3650.96,3273.21 3654.31,3273.21 Q1.2@3662.6,3281.5 ; F1.1 3453,3010 3662.6,3219.6 Q1.2@3662.6,3281.5 ; Q1.2@3670.89,3295.65 3662.6,3287.36 3662.6,3284.84 Q1.2@3662.6,3281.5
NetC2_1: C2.1 R12.1 U2.PB31 | length 611.5
  Top Layer w15: U2.PB31 4832.6,3507.6 4890,3565 5050.3,3565 5138.36,3653.06 5138.36,3808.96 5117.31,3830 R12.1
NetC3_1: C3.1 R13.1 U2.PB00 | length 439.7
  Top Layer w15: U2.PB00 4732.6,3542.12 C3.1 4829.25,3681.23 R13.1
NetC4_1: C4.1 R14.1 U2.PB01 | length 419.8
  Top Layer w15: R14.1 4541.38,3681.23 C4.1 4632.6,3590.01 U2.PB01
NetC5_1: C5.1 R15.1 U2.PB02 | length 572.2
  Top Layer w15: R15.1 4253.5,3681.23 C5.1 4274.73,3653.06 4322.79,3605 4450,3605 4532.6,3522.4 U2.PB02
NetC6_1: C6.1 R16.1 U2.PB03 | length 716.4
  Top Layer w15: R16.1 3965.63,3681.23 4004.92,3641.94 4004.92,3634.99 4009,3630.92 4114.92,3525 4355.55,3525 U2.PB03
NetC7_1: C7.1 R10.1 U2.PB30 | length 771.4
  Top Layer w15: U2.PB30 4980.1,3495.45 5261.68,3495.45 5397.15,3630.92 5404.09,3630.92 C7.1@5426.23,3653.06 ; R10.1 5405.19,3830 5426.23,3808.96 C7.1@5426.23,3653.06 ; C7.1 C7.1@5426.23,3653.06
NetD2_1: D2.1 U1.4 U1.5 | length 510.1
  Top Layer w15: D2.1 2876.69,2675.47 U1.5 U1.4
NetF1_2: F1.2 Q1.1 U1.1 | length 637.2
  Top Layer w15: U1.1@3695.5,2665 F1.2 3737.4,3051.9 Q1.1@3737.4,3284.84
NetFault_1: Fault.1 R2.2 | length 220.6
  Top Layer w15: Fault.1 R2.2@3650.63,3403.9
NetJ1_2: J1.2 Q2.3 | length 391.4
  Top Layer w15: J1.2 3633.19,4365 3725,4273.19 Q2.3
NetQ1_3: Q1.3 R2.1 | length 209.8
  Top Layer w15: Q1.3 3701.73,3378.35 3728.39,3405 R2.1 R2.1@3735,3399.37
NetR1_1: R1.1 R3.2 U1.6 | length 475.2
  Top Layer w15: R3.2@3284.37,1939.37 U1.6 ; R3.2 R1.1@3470,1939.37
"Right Turn": J5.2 R9.1 R10.2 R_Turn.1 | length 2518
  Top Layer w15: J5.2 5080.35,4520 5280,4520 5483.74,4316.26 R9.1 ; R10.2 R9.1 ; v1(5565,4015) 5488.74,4015 R9.1 ; v1@6816.47,4081.47 R_Turn.1@6898.53,4081.47
  Bottom Layer w15: v1@5574.92,4020 6745.53,4020 6805.53,4080 v1(6815,4080)
"Running Lights": J5.4 R8.1 R12.2 Run_Lights.1 | length 2783.4
  Top Layer w15: J5.4 4911.54,4300 5270,4300 5310,4260 5310,4124.13 5217.89,4032.03 5217.89,4031.04 5196.85,4010 R8.1 ; 5164.15,4010 5195,4010 5195.87,4009.13 R12.2 5208.37,3842.5 v1(5279,3842.5) ; v1@6815.6,3834.4 Run_Lights.1@6899.4,3834.4
  Bottom Layer w15: v1(5279,3842.5) 5326.5,3890 6760,3890 v1(6815,3835)
pads on no net: J2.3 J3.3 J4.3 J5.0 U1.2 U1.10 U2.PA00 U2.PA01 U2.PA02 U2.PA03 U2.PA04 U2.PA05 U2.PA06 U2.PA07 U2.PA08 U2.PA09 U2.PA10 U2.PA11 U2.PA12 U2.PA13 U2.PA14 U2.PA15 U2.PA16 U2.PA17 U2.PA18 U2.PA19 U2.PA20 U2.PA21 U2.PA22 U2.PA23 U2.PA24 U2.PA25 U2.PA27 U2.PA28 U2.PA30 U2.PA31 U2.PB04 U2.PB05 U2.PB06 U2.PB07 U2.PB08 U2.PB09 U2.PB10 U2.PB11 U2.PB12 U2.PB13 U2.PB14 U2.PB15 U2.PB16 U2.PB17
copper on no net:
  other v2: 2890,1870 6760,1870 2890,4770 6760,4770
  other v3: 3375,4652.4

## Polygon pours and split planes (outlines as drawn)
+5 on Top Layer "+5_L01_P003" (solid, remove dead copper, pour order 3): 2880,5000 ccw(c2880,4760) 2640,4760 2640,1890 ccw(c2870,1890) 2870,1660 6775,1660 ccw(c6775,1880) 6995,1880 6995,4770 ccw(c6765,4770) 6765,5000
MGND on Bottom Layer "MGND_L02_P005" (solid, remove dead copper, pour order 5): 2875,5000 ccw(c2875,4760) 2635,4760 2635,1890 ccw(c2865,1890) 2865,1660 6770,1660 ccw(c6770,1880) 6990,1880 6990,4770 ccw(c6760,4770) 6760,5000

## Other copper
Top Layer:
  rectangle net MGND: 3110,3715 3845,3865

## Silkscreen, mask and mechanical layers (free items; w line width, h text height)
Top Overlay:
  drawing of 30 lines, arcs and shapes, not listed
  text "12V_Main" at 3585,4980 h60 r270
  text "5v_INPUT" at 4294.99,4980 h60 r270
  text "BUTTONS" at 5320,4980 h60 r270
  text "CAN2" at 5925,4980 h60 r270
  text "CAN1" at 6410,4980 h60 r270
  text "J5 Pins" at 6390,4270 h60
  text "Left Turn-1" at 6160.05,4180.33 h60
  text "Right Turn-2" at 6080.08,4057 h60
  text "Horn-3" at 6419.97,3934 h60
  text "Running Lights-4" at 5850.15,3811 h60
  text "Hazards-5" at 6240.03,3688.01 h60
  text "Bright-6" at 6310,3575 h60
  text "Buttonboard" at 6239.91,3160 h60
  text "Rev 3" at 6389.93,3050 h60
  text "0.5 Amp" at 3385,2825 h60
  text "Jake Hafele, / Bryce Staver, / Bryan Kalkhoff" at 6090,2640 h60
  text "Software:" at 6167.5,2450 h60
  text "Will Galles, / Gregory Ling" at 6147.5,2220 h60
Bottom Overlay:
  drawing of 2861 lines, arcs and shapes, not listed
Mechanical 1:
  the board outline again, w10

## Text inside footprints (layer, text, board x,y; h text height)
J5: Top Overlay "1" at 4690,4390 h60; Top Overlay "6" at 5265,4195 h60; Top Overlay "4" at 4660,4215 h60; Top Overlay "3" at 5250,4400 h60
U2: Top Overlay "Compute S+" at 4455.04,2378.19 h196.85 r0.33; Top Overlay "1" at 4225.51,1891.57 h60